# Altium PCB MODULE_BLE_PCB_V1I1.PcbDoc
Units mil, origin at the board's own origin, x right, y up, seen from the top; angles counter-clockwise.
Board outline 2100 x 2700 mil, 2 copper layers (Top Layer, Bottom Layer); 42 components, 44 nets, 216 pads, 54 vias.
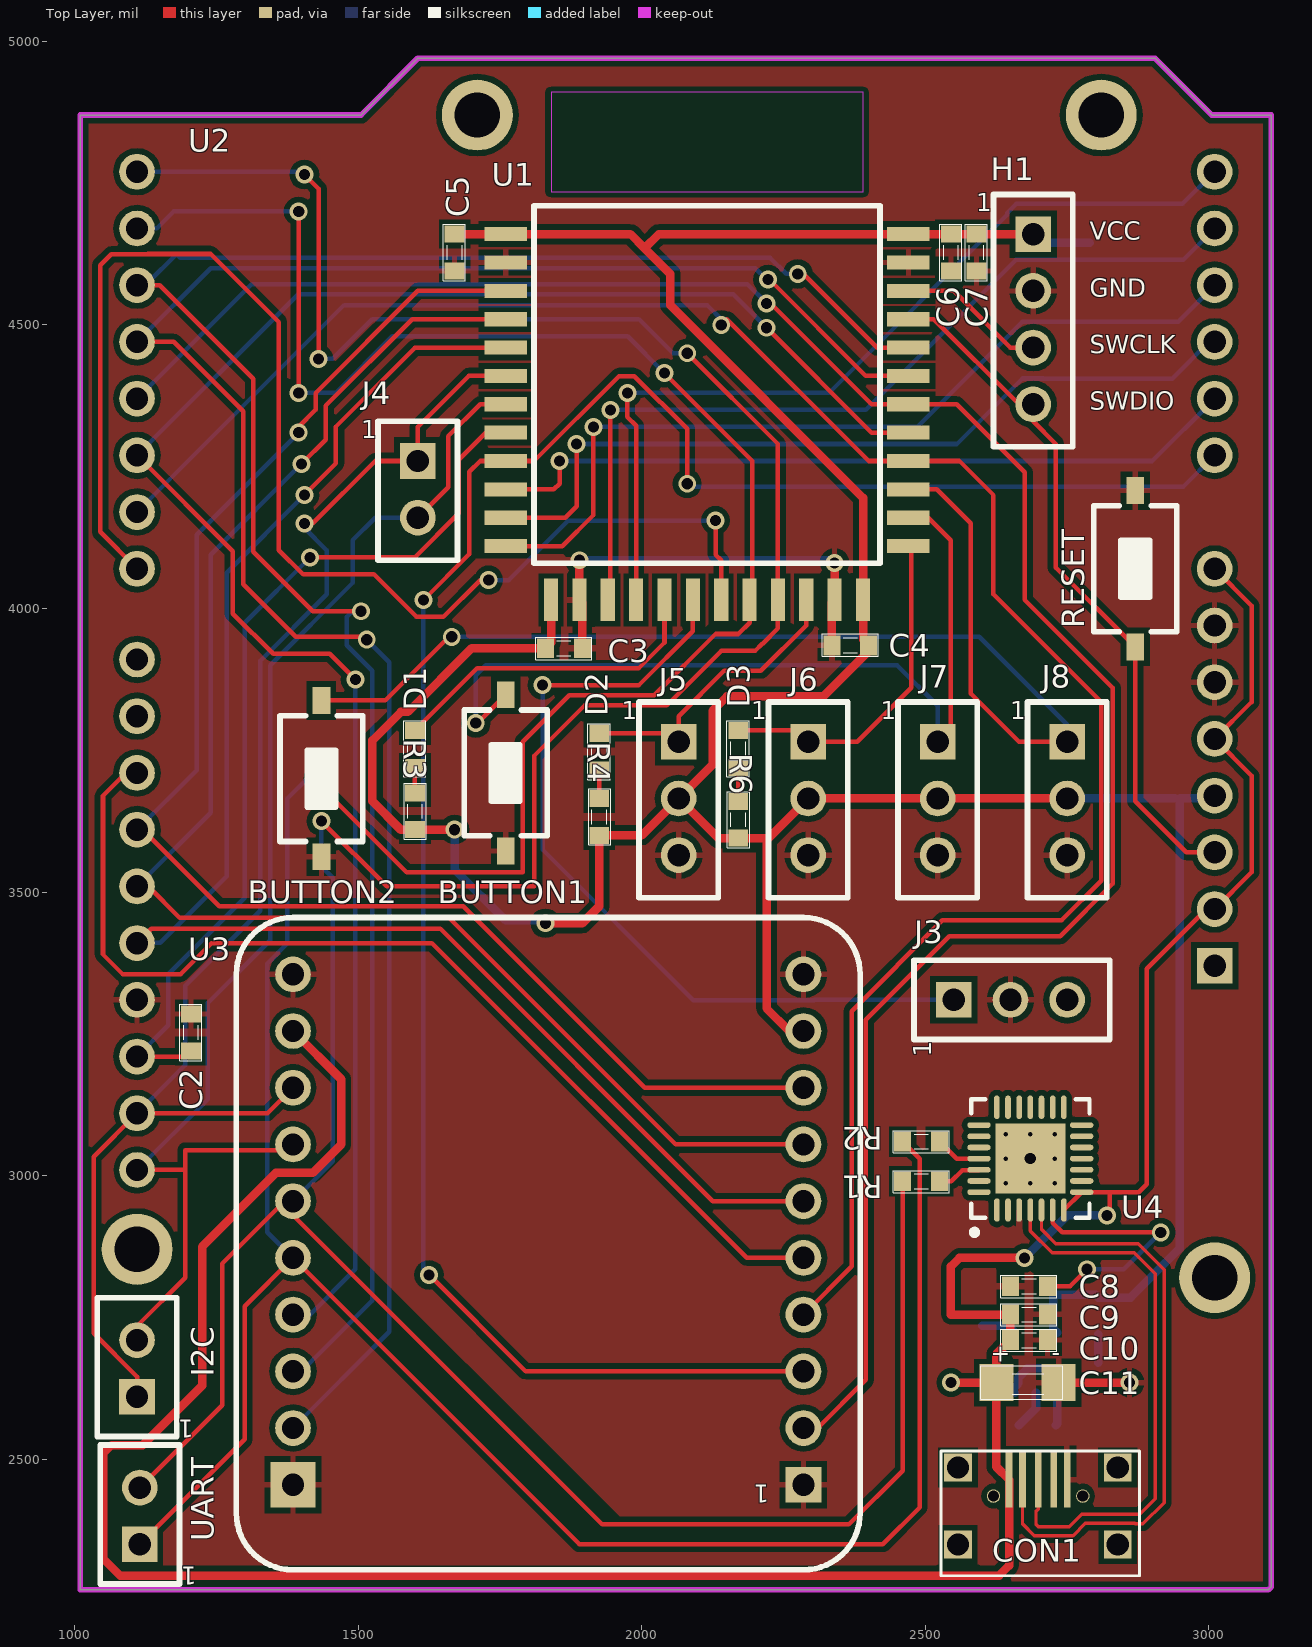
[diagram p0: Top Layer view]
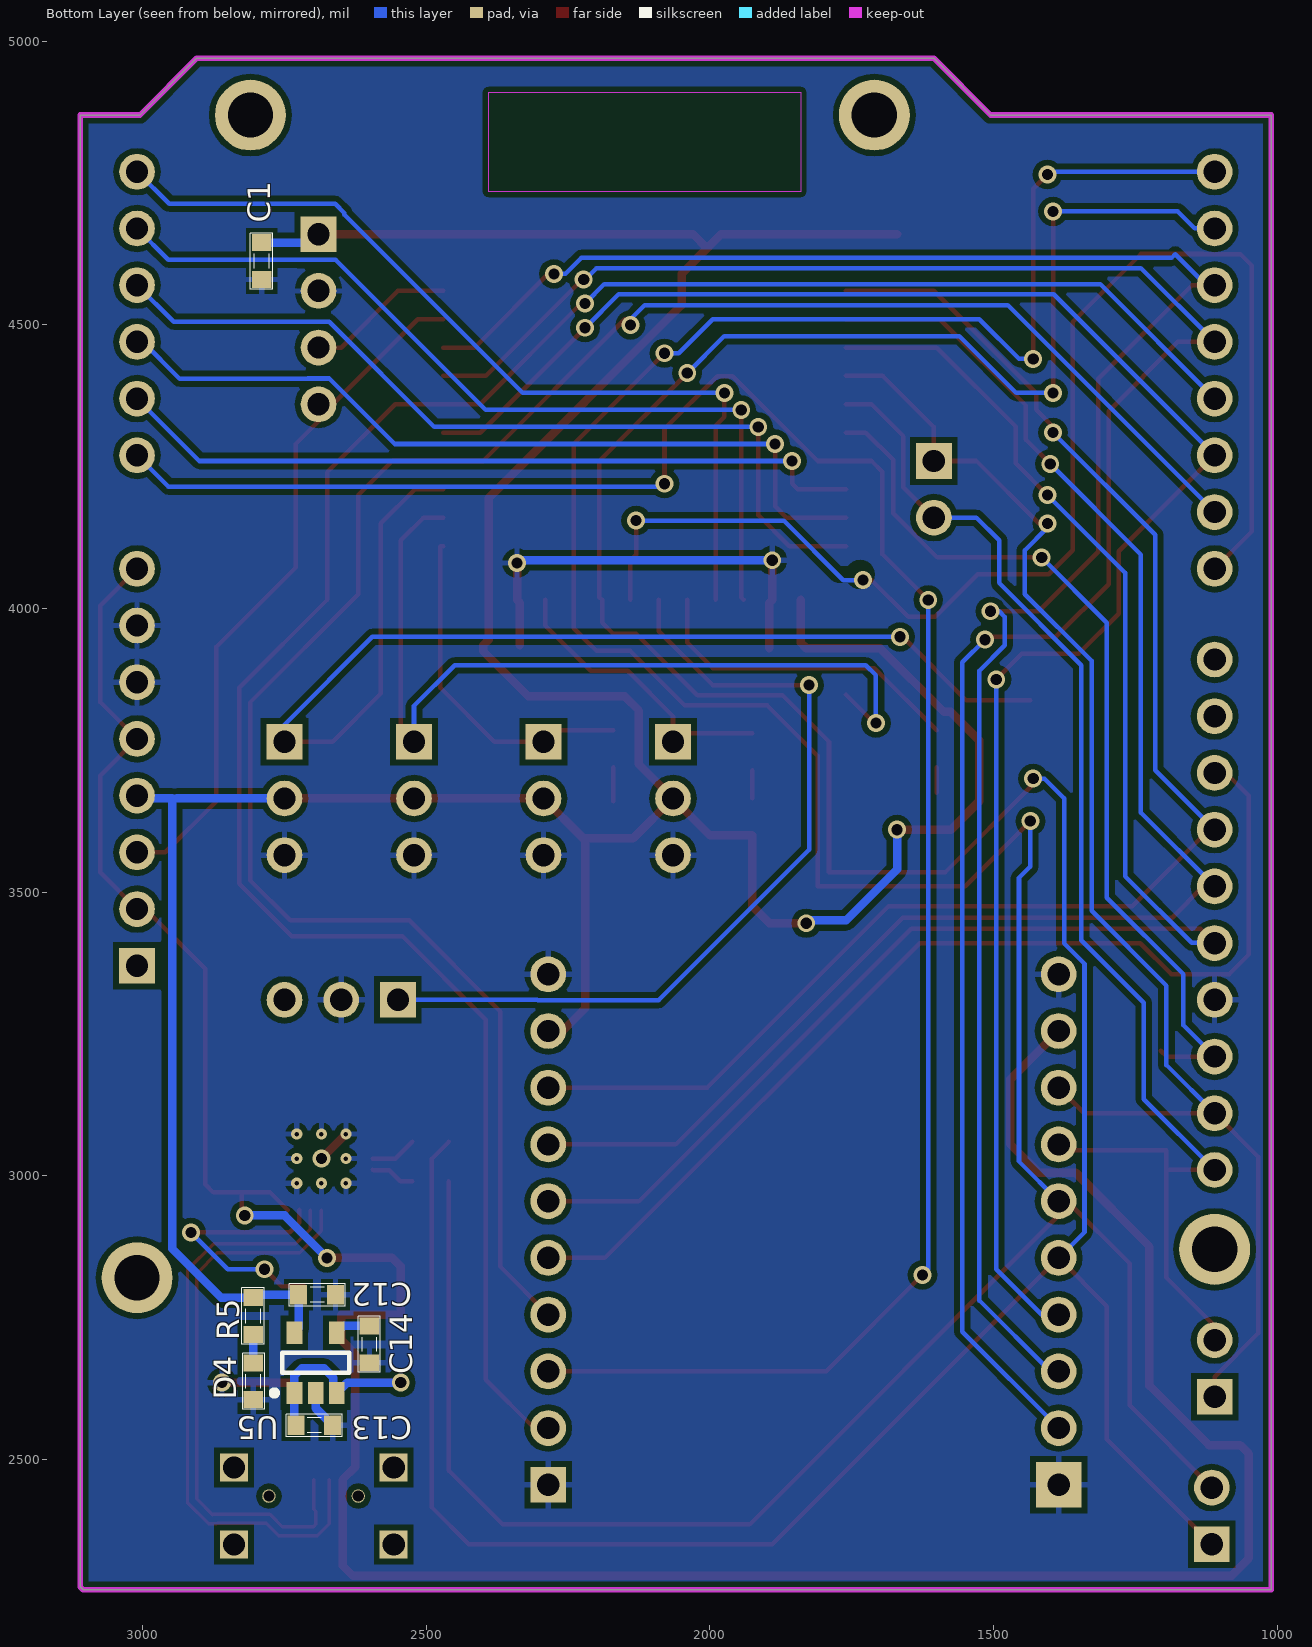
[diagram p1: Bottom Layer view, seen from below]
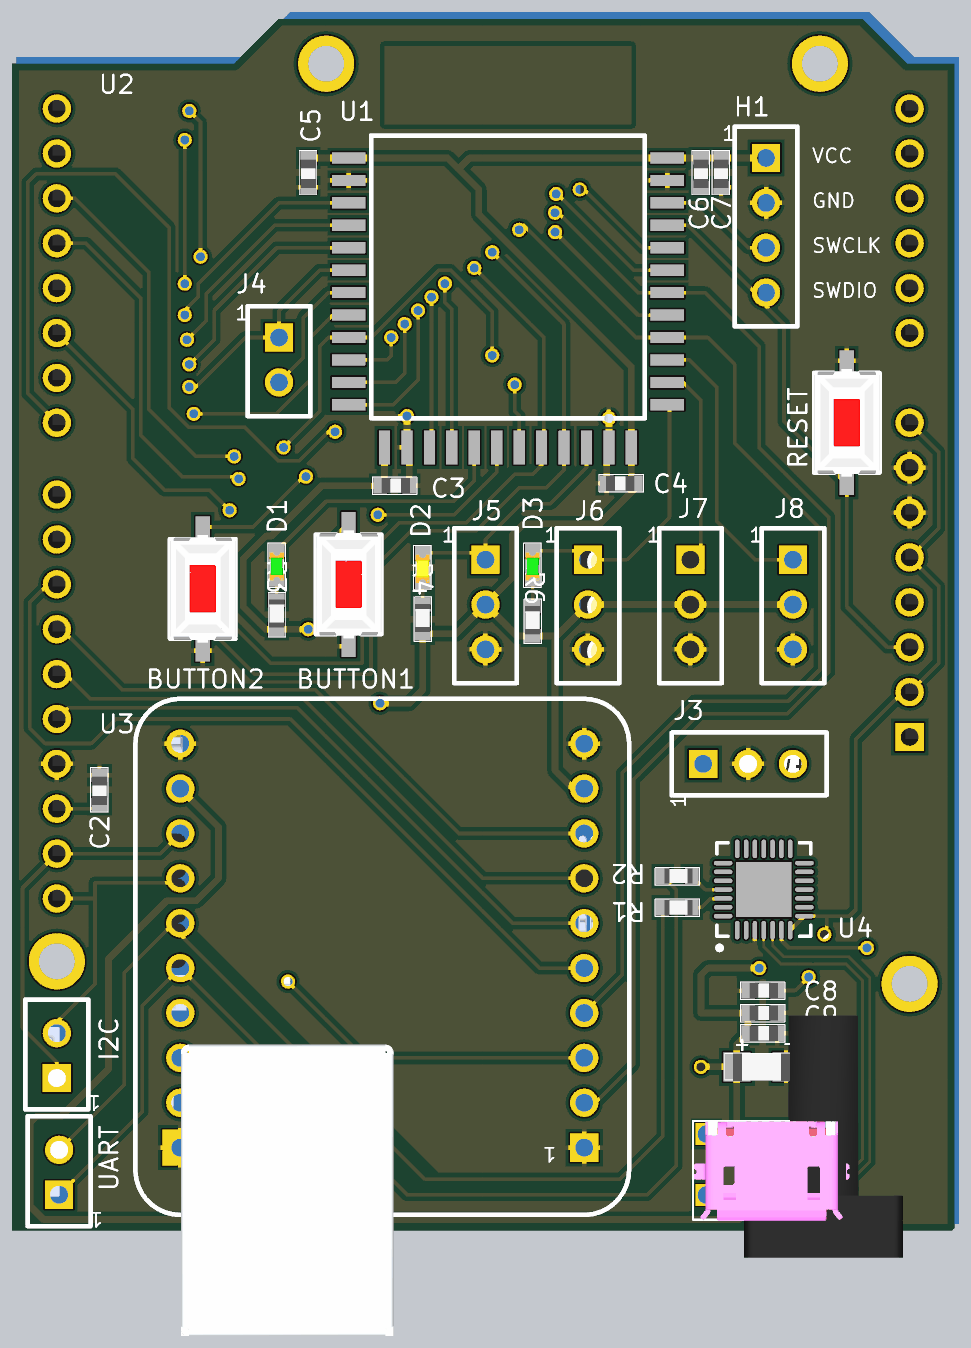
[diagram p2: 3D render of the assembled board from above, using the file's embedded part models]
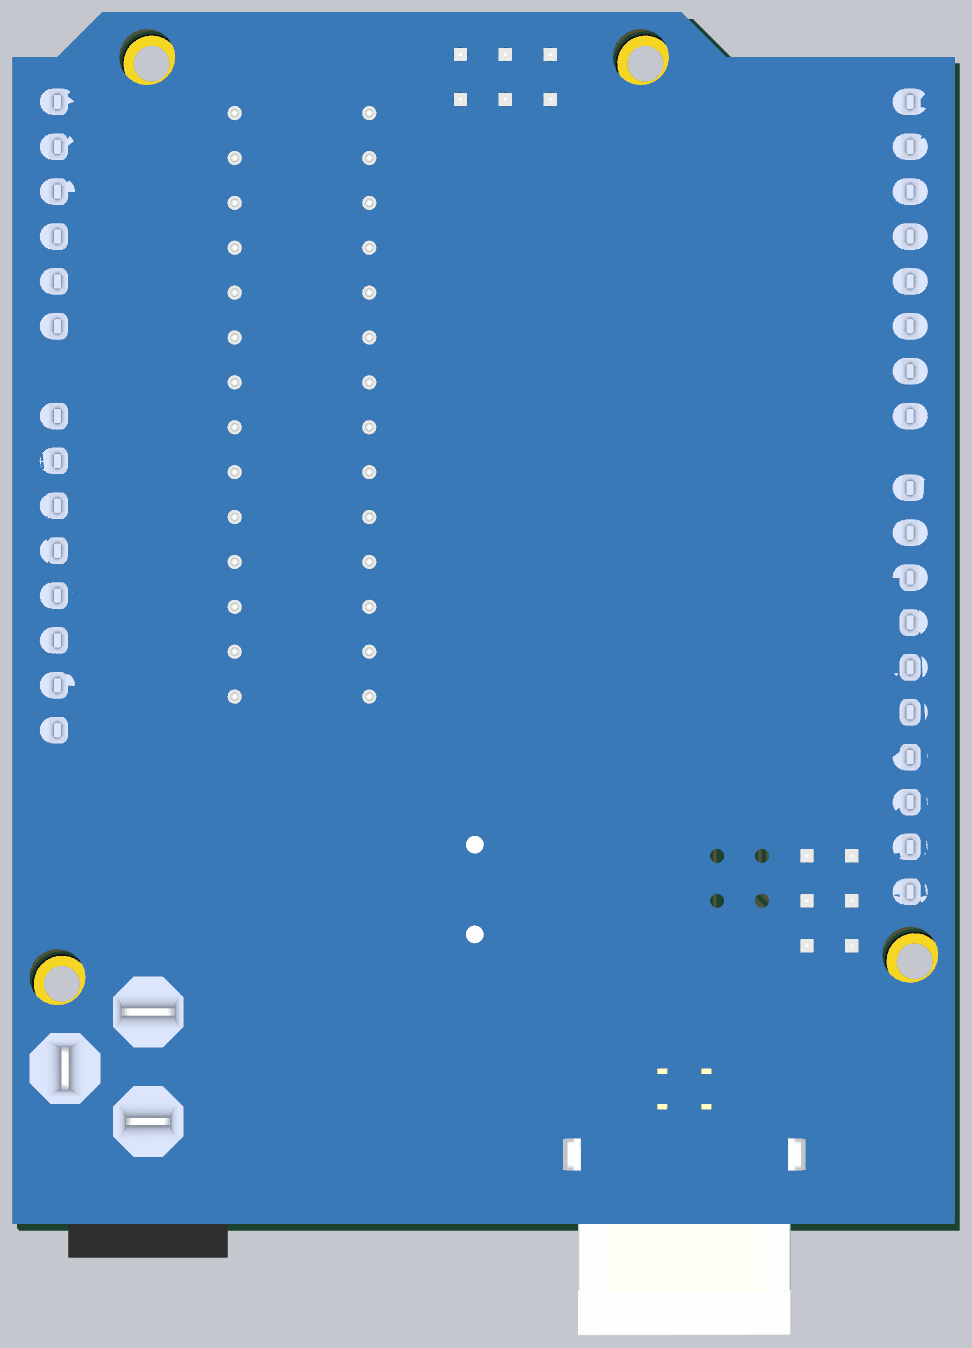
[diagram p3: 3D render of the assembled board from below, using the file's embedded part models]

## Layer stack, top to bottom
Top Solder: solder mask 0.4, Solder Resist, Dk 3.5
Top Layer: signal copper 1.4
Dielectric1: dielectric 12.6, FR-4, Dk 4.8
Bottom Layer: signal copper 1.4
Bottom Solder: solder mask 0.4, Solder Resist, Dk 3.5

## Board outline
1010,2270 1010,4870 1505,4870 1605,4970 2905,4970 3005,4870 3110,4870 3110,2275 3105,2270

## Design rules (kind name [scope] priority, off if disabled: settings)
Clearance [All] p1: gap=10
DiffPairsRouting [All] p1: maxlimit=15 minlimit=10 mostfreqgap=10 toplayer_minwidth=6 toplayer_maxwidth=15 toplayer_prefwidth=6 bottomlayer_maxgap=10 bottomlayer_minwidth=6 bottomlayer_maxwidth=15 bottomlayer_prefwidth=6 maxuncoupledlength=500
PolygonConnect [All] p1: connectstyle=Relief reliefconductorwidth=10 reliefentries=4 polygonreliefangle="90 Angle" airgapwidth=10
RoutingCorners [All] p1: cornerstyle=45-Degree minsetback=50 maxsetback=50
RoutingVias [All] p1: holewidth=19.68 width=31.5 viastyle="Through Hole" minholewidth=19.68 minwidth=31.5 maxholewidth=19.68 maxwidth=31.5
SilkToSolderMaskClearance SilkscreenOverComponentPads [IsPad] p1: minsilkscreentomaskgap=10 clearancetoexposedcopper=TRUE
SolderMaskExpansion [All] p1: expansion=4
Width [All] p1: maxlimit=20 minlimit=8 preferedwidth=8 minimp=50.000000 maximp=50.000000 favimp=50.000000
27 further rules are at their usual default settings.

## Classes and differential pairs
net class DIFF90: USB_N USB_P
differential pair USB: +USB_P -USB_N

## Components (designator, comment, footprint, x,y, rotation, side; value= is the part's Value field where it differs from the comment)
BUTTON1 "SW2_DPST_SURFACE_5MM" SW2-SMD 1760,3710 r90 top (schematic designator SW2)
BUTTON2 "SW2_DPST_SURFACE_5MM" SW2-SMD 1435,3700 r90 top (schematic designator SW3)
C1 "C_0.1F_0603_CERAMIC_16V" CAP_SMD0603 2790,4625 r90 bottom
C2 "C_0.1F_0603_CERAMIC_16V" CAP_SMD0603 1205,3265 r90 top
C3 "C_0.1F_0603_CERAMIC_16V" CAP_SMD0603 1850,3930 r180 top
C4 "C_0.1F_0603_CERAMIC_16V" CAP_SMD0603 2380,3935 r0 top
C5 "C_0.1F_0603_CERAMIC_16V" CAP_SMD0603 1670,4640 r90 top
C6 "C_0.1F_0603_CERAMIC_16V" CAP_SMD0603 2545,4640 r90 top
C7 "C_10uF_0603_CERAMIC_16V" CAP_SMD0603 2590,4640 r90 top
C8 "C_0.1F_0603_CERAMIC_16V" CAP_SMD0603 2670,2805 r180 top
C9 "C_2.2uF_0603_CERAMIC_16V" CAP_SMD0603 2670,2755 r180 top
C10 "C_0.1F_0603_CERAMIC_16V" CAP_SMD0603 2670,2710 r180 top
C11 "C_10uF_1206_TANTALUM_25V" CAP_SMD1206_TANTALUM 2670,2635 r0 top
C12 "C_1uF_0603_CERAMIC_16V" CAP_SMD0603 2705,2790 r0 bottom
C13 "C_1uF_0603_CERAMIC_16V" CAP_SMD0603 2710,2560 r0 bottom
C14 "C_0.1F_0603_CERAMIC_16V" CAP_SMD0603 2600,2715 r90 bottom
CON1 "CONNECT_MICRO_USB_SURFACE" CON_MICRO_USB_HOLE 2557.56,2349.57 r0 top
D1 "LED2_GREEN_0603_2V" LED_GREEN_SMD0603 1600,3765 r90 top
D2 "LED2_YELLOW_0603_2.1V" LED_YELLOW_SMD0603 1925,3760 r90 top
D3 "LED2_GREEN_0603_2V" LED_GREEN_SMD0603 2170,3765 r90 top
D4 "LED2_RED_0603_2V" LED_RED_SMD0603 2805,2625 r270 bottom
H1 "HEADER4_ISP_NRF518XX_HOLE_2.54" HEADER4_ISP_HOLE_2.54 2690,4660 r0 top locked
I2C "CON_I2C" CON_HEADER2_HOLE_2.54 1110,2610 r180 top (schematic designator J1)
J3 "CONN_PROG" CON_HEADER3_HOLE_2.54 2550,3310 r90 top
J4 "CON_I2C" CON_HEADER2_HOLE_2.54 1605,4260 r0 top
J5 "CON_HEADER3_MALE_HOLE2.54" CON_HEADER3_HOLE_2.54 2065,3765 r0 top
J6 "CON_HEADER3_MALE_HOLE2.54" CON_HEADER3_HOLE_2.54 2293.33,3765 r0 top
J7 "CON_HEADER3_MALE_HOLE2.54" CON_HEADER3_HOLE_2.54 2521.67,3765 r0 top
J8 "CON_HEADER3_MALE_HOLE2.54" CON_HEADER3_HOLE_2.54 2750,3765 r0 top
R1 "R_1K2_SMD0603_1%_1/10W" RES_SMD0603 2480,2990 r180 top
R2 "R_1K2_SMD0603_1%_1/10W" RES_SMD0603 2480,3060 r180 top
R3 "R_1K2_SMD0603_1%_1/10W" RES_SMD0603 1600,3630 r270 top
R4 "R_1K2_SMD0603_1%_1/10W" RES_SMD0603 1925,3620 r270 top
R5 "R_10K_SMD0603_1%_1/10W" RES_SMD0603 2805,2765 r90 bottom
R6 "R_1K2_SMD0603_1%_1/10W" RES_SMD0603 2170,3615 r270 top
RESET "SW2_RESET" SW2-SMD 2870,4070 r90 top (schematic designator SW1)
U1 "MODULE_BLE_NRF518XX" MODULE_NRF518xx 1740,4660 r0 top locked
U2 "SHIELD_UNO" "SHIELD UNO" 3110,2270 r90 top locked
U3 "SHIELD_MIKRO_BUS" SHIELD_MIKRO_BUS 2285,2455 r180 top locked
U4 "USB_CP2102-GMR" QFN_28PIN_USBC2102 2685,3030 r90 top
U5 "POWER_LDO_LD3985_3.3V_SOT-23-5" POWER_LDO_LDR3985-3.3 2695,2670 r90 bottom
UART "CON_UART" CON_HEADER2_HOLE_2.54 1115,2350 r180 top (schematic designator J2)

## Footprints (in the part's own frame and the unit in brackets; to place one, negate y for a bottom-side part, rotate by r counter-clockwise, add the part's x,y. Pads: shape width x height; smd on the part's side, far side on the other; paste and mask are expansions set on the pad)
CAP_SMD0603 [mil] "Compoment SMD 60x30mil"
  rect 30x35 smd: 1(-45,0) 2(20,0)
  silkscreen extent -62,-19 37,20, body extent -46,-17 16,17, height 33
CAP_SMD1206_TANTALUM [mil] "Compoment SMD 80x50mil"
  rect 60x65 smd: 1(-45,0) 2(65,0)
  silkscreen extent -72,-29 72,30, body extent -53,-31 73,30, height 65
CON_HEADER2_HOLE_2.54 [mm] "HEADER, SINGLE, DISTANCE = 100mil"
  rect 1.6x1.6 hole 1: 1(0,0)
  round 1.6 hole 1: 2(0,-2.54)
  silkscreen extent -1.78,-4.44 1.78,1.78
CON_HEADER3_HOLE_2.54 [mm] "HEADER, SINGLE, DISTANCE = 100mil"
  rect 1.6x1.6 hole 1: 1(0,0)
  round 1.6 hole 1: 2(0,-2.54) 3(0,-5.08)
  silkscreen extent -1.78,-6.98 1.78,1.78
CON_MICRO_USB_HOLE [mm]
  rect 0.3x2.5 smd mask+0.05: 1(2.286,2.91) 2(2.886,2.91) 3(3.586,2.91) 4(4.286,2.91) 5(4.886,2.91)
  rect 1.25x1.25 hole 1 mask+0.05: ""(0,0) ""(0,3.45) ""(7.15,0) ""(7.15,3.45)
  round 0.6 hole 0.5 mask+0.05: ""(1.586,2.17) ""(5.586,2.17)
  silkscreen extent -0.76,-1.4 8.13,4.19, body extent -0.72,-1.45 8.08,4.18, height 2.77
HEADER4_ISP_HOLE_2.54 [mm] "HEADER, SINGLE, DISTANCE = 100mil"
  rect 1.6x1.6 hole 1: 1(0,0)
  round 1.6 hole 1: 2(0,-2.54) 3(0,-5.08) 4(0,-7.62)
  silkscreen extent -1.78,-9.53 1.78,1.78
LED_GREEN_SMD0603 [mil] "Compoment SMD 60x30mil"
  rect 30x35 smd: 1(-45,0) 2(20,0)
  silkscreen extent -62,-19 37,20, body extent -46,-16 17,16, height 24
LED_RED_SMD0603 [mil] "Compoment SMD 60x30mil"
  rect 30x35 smd: 1(-45,0) 2(20,0)
  silkscreen extent -62,-19 37,20, body extent -46,-16 16,16, height 24
LED_YELLOW_SMD0603 [mil] "Compoment SMD 60x30mil"
  rect 30x35 smd: 1(-45,0) 2(20,0)
  silkscreen extent -62,-19 37,20, body extent -46,-16 17,16, height 24
MODULE_NRF518xx [mil] "MODULE BLE NRF51822 Madeby TUAN ANH"
  rect 75x25 smd: 1(20,0) 2(20,-50) 3(20,-100) 4(20,-150) 5(20,-200) 6(20,-250) 7(20,-300) 8(20,-350) 9(20,-400) 10(20,-450) 11(20,-500) 12(20,-550) 25(730,-550) 26(730,-500) 27(730,-450) 28(730,-400) 29(730,-350) 30(730,-300) 31(730,-250) 32(730,-200) 33(730,-150) 34(730,-100) 35(730,-50) 36(730,0)
  rect 25x75 smd: 13(100,-645) 14(150,-645) 15(200,-645) 16(250,-645) 17(300,-645) 18(350,-645) 19(400,-645) 20(450,-645) 21(500,-645) 22(550,-645) 23(600,-645) 24(650,-645)
  Keep-Out Layer region: 100,250 100,75 650,75 650,250
  silkscreen extent 70,-580 680,50, body extent 20,-630 730,45, height 59
POWER_LDO_LDR3985-3.3 [mm] "SOT23, 5-Leads, Body 2.90x2.80mm, Pitch 0.95mm, IPC Medium Density"
  rect 1x0.7 smd: 1(-1.35,0.95) 2(-1.35,0) 3(-1.35,-0.95) 4(1.35,-0.95) 5(1.35,0.95)
  silkscreen extent -1.47,-1.5 0.45,1.98, body extent -0.85,-1.5 0.85,1.5, height 0.9
QFN_28PIN_USBC2102 [mm] "QFN, 28-Leads, Body 5.00x5.00mm, Pitch 0.50mm, Thermal Pad 3.13x3.13mm, IPC Medium Density"
  oval 1.05x0.25 smd: 1(-2.3,1.5) 2(-2.3,1) 3(-2.3,0.5) 4(-2.3,0) 5(-2.3,-0.5) 6(-2.3,-1) 7(-2.3,-1.5) 15(2.3,-1.5) 16(2.3,-1) 17(2.3,-0.5) 18(2.3,0) 19(2.3,0.5) 20(2.3,1) 21(2.3,1.5)
  oval 0.25x1.05 smd: 8(-1.5,-2.3) 9(-1,-2.3) 10(-0.5,-2.3) 11(0,-2.3) 12(0.5,-2.3) 13(1,-2.3) 14(1.5,-2.3) 22(1.5,2.3) 23(1,2.3) 24(0.5,2.3) 25(0,2.3) 26(-0.5,2.3) 27(-1,2.3) 28(-1.5,2.3)
  rect 3.13x3.13 smd: 29(0,0)
  silkscreen extent -3.42,-2.65 2.65,2.65, body extent -2.5,-2.5 2.5,2.5, height 0.8
RES_SMD0603 [mil] "Compoment SMD 60x30mil"
  rect 30x35 smd: 1(-45,0) 2(20,0)
  silkscreen extent -62,-19 37,20, body extent -46,-17 17,17, height 19
"SHIELD UNO" [mm]
  rect 1.6x1.6 hole 1: 1(27.94,2.54)
  round 1.6 hole 1: 2(30.48,2.54) 3(33.02,2.54) 4(35.56,2.54) 5(38.1,2.54) 6(40.64,2.54) 7(43.18,2.54) 8(45.72,2.54) 9(50.8,2.54) 10(53.34,2.54) 11(55.88,2.54) 12(58.42,2.54) 13(60.96,2.54) 14(63.5,2.54) 15(63.5,50.8) 16(60.96,50.8) 17(58.42,50.8) 18(55.88,50.8) 19(53.34,50.8) 20(50.8,50.8) 21(48.26,50.8) 22(45.72,50.8) 23(41.656,50.8) 24(39.116,50.8) 25(36.576,50.8) 26(34.036,50.8) 27(31.496,50.8) 28(28.956,50.8) 29(26.416,50.8) 30(23.876,50.8) 31(21.336,50.8) 32(18.796,50.8)
  round 3.175 hole 2.032: N(13.97,2.54) N(15.24,50.8) N(66.04,7.62) N(66.04,35.56)
  body extent -5.97,-0.25 68.96,53.09, height 1.05
SHIELD_MIKRO_BUS [mm] "HEADER, SINGLE, DISTANCE = 100mil"
  rect 1.6x1.6 hole 1: 1(0,0)
  round 1.6 hole 1: 2(0,-2.54) 3(0,-5.08) 4(0,-7.62) 5(0,-10.16) 6(0,-12.7) 7(0,-15.24) 8(0,-17.78) 9(0,-20.32) 10(0,-22.86) 11(22.86,-22.86) 12(22.86,-20.32) 13(22.86,-17.78) 14(22.86,-15.24) 15(22.86,-12.7) 16(22.86,-10.16) 17(22.86,-7.62) 18(22.86,-5.08) 19(22.86,-2.54)
  rect 2.032x2.032 hole 1: 20(22.86,0)
  silkscreen extent -2.54,-25.4 25.4,3.81
SW2-SMD [mm] "Switch SMD type"
  rect 1.2x0.8 smd: 1(-3.5,0) 2(3.5,0)
  silkscreen extent -2.82,-1.85 2.82,1.85, body extent -3.05,-1.85 3.05,1.85, height 2.5

## Part data
BUTTON1 BUTTON2: "SWITCH TACTILE SPST-NO 0.05A 12V"
C1 C2 C3 C4 C5 C6 C8 C10 C14: "CAP CER 0.1UF 16V X7R 0603"
C7: "CAP CER 10UF 16V X5R 0603"
C9: "CAP CER 2.2UF 16V X5R 0603"
C11: "CAP TANT 10UF 25V 10% 1206"
C12 C13: "CAP CER 1UF 16V X5R 0603"
CON1: "CONN RCPT STD MICRO USB TYPE B"
D1 D3: "LED GREEN CLEAR 0603 SMD"
D2: "LED YELLOW CLEAR 0603 SMD"
D4: "LED RED CLEAR 0603 SMD"
H1: "CONN HEADER 4POS .100 STR TIN"
I2C J4 UART: library part CON_HEADER2_MALE_HOLE2.54, "CON_HEADER10_HOLE2.54"
J3: library part CON_HEADER3_MALE_HOLE2.54, "CON_HEADER10_HOLE2.54"
J5 J6 J7 J8: "CON_HEADER10_HOLE2.54"
R1 R2 R3 R4 R6: "RES SMD 1.2K OHM 1% 1/10W 0603"
R5: "RES SMD 10K OHM 1% 1/10W 0603"
RESET: library part SW2_DPST_SURFACE_5MM, "SWITCH TACTILE SPST-NO 0.05A 12V"
U4: "IC USB-TO-UART BRIDGE 28VQFN"
U5: "IC REG LDO 3.3V 0.15A SOT23-5"

## Via types
v1: diameter 31.5, hole 19.68, Top Layer to Bottom Layer, 45 vias
v2: diameter 19.68, hole 7.87, Top Layer to Bottom Layer, 9 vias

## Nets (pads, with @x,y where several pads share a name; then routed paths per layer and width w, separated by ;. In a path a pad name is that pad's centre, name@x,y a point inside that pad or via, vN(x,y) a via of type N, cw(c..) or ccw(c..) an arc to the next point about the centre after c; other vN are vias at no path point)
5VCC_USB: C9.2 C10.2 C11.1 C13.2 CON1.1 U2.2 U2.5 U2.8 U3.12 U4.7 U4.8 U5.1 U5.3 | length 5648.7
  Top Layer w8: U4.7 U4.8 2825,2970.94 ; v1@2825,2930 2825,2970.94 ; U2.8 3075,4005 3075,3835 U2.5 3075,3705 3075,3535 U2.2 2995,3470 2890,3365 2890,2985 2875.94,2970.94 2825,2970.94
  Top Layer w15: U3.12 1470,3170 1470,3055 1420,3005 1355,3005 1225,2875 1225,2630 1120,2525 1065,2525 1050,2510 1050,2325 1080,2295 2630,2295 2647.56,2312.56 CON1.1 2625,2486.69 C11.1 ; v1(2545,2635) C11.1 ; v1(2675,2855) 2560,2855 2545,2840 2545,2755 C9.2 C10.2 2625,2685 C11.1 ; v1(2820,2930) v1@2825,2930
  Bottom Layer w15: v1(2545,2635) 2639.45,2635 U5.3@2652.22,2622.22 ; U5.3 U5.3@2652.22,2622.22 ; v1(2675,2855) 2750,2930 v1(2820,2930) ; C13.2 2732.4,2562.4 U5.1 2732.4,2647.6 2720,2660 2679.94,2660 2663.72,2643.78 2663.72,2633.72 U5.3@2652.22,2622.22
AIN2: U1.9 U2.9 U3.3 | length 3728
  Top Layer w8: v1(1615,4015) 1696,4096 1696,4241 1715,4260 U1.9 1810,4260 1959.75,4409.75 1986.82,4409.75 2080,4316.57 v1(2080,4220) ; v1(1625,2825) 1795,2655 U3.3
  Bottom Layer w8: v1(1615,4015) 1615,2835 v1(1625,2825) ; v1(2080,4220) 2085,4215 2955,4215 U2.9
AIN3: U1.10 U2.10 | length 1339.7
  Top Layer w8: U1.10 1845,4210 1855,4220 v1(1855,4260)
  Bottom Layer w8: v1(1855,4260) 2900,4260 U2.10
AIN4: U1.11 U2.11 | length 1443.3
  Top Layer w8: U1.11 1865,4160 1885,4180 v1(1885,4290)
  Bottom Layer w8: v1(1885,4290) 2555.66,4290 2671.15,4405.5 2708.85,4405.5 2709.34,4405 2935,4405 3000,4470 U2.11
AIN5: U1.12 U2.12 | length 1541.7
  Top Layer w8: U1.12 1860,4110 1914.75,4164.75 v1(1914.75,4320) v1@1914.75,4330.25
  Bottom Layer w8: v1(1914.75,4320) 2485.66,4320 2671.15,4505.5 2945.5,4505.5 U2.12
AIN6: U1.15 U2.13 | length 1534.8
  Top Layer w8: U1.15 1944.75,4019.75 v1(1944.75,4350)
  Bottom Layer w8: v1(1944.75,4350) 2395,4350 2659.5,4614.5 2727.3,4614.5 2727.79,4615 2955,4615 U2.13
AIN7: U1.16 U2.14 | length 1570.1
  Top Layer w8: v1(1974.5,4380) 1974.5,4337.68 1990,4322.17 U1.16
  Bottom Layer w8: v1(1974.5,4380) 2330,4380 2644.5,4694.5 2644.5,4697.3 2660.58,4713.37 2953.37,4713.37 U2.14
AREF0: C2.1 U1.8 U2.30 | length 1596.9
  Top Layer w8: U2.30 1195,3210 C2.1 ; v1(1415,4090) 1599.34,4090 1677,4167.66 1677,4262 1725,4310 U1.8
  Bottom Layer w8: U2.30 1165,3265 1165,3355 1300,3490 1300,3975 v1(1415,4090)
GND_USB: BUTTON1.1 BUTTON2.1 C1.1 C2.2 C3.1 C4.1 C5.1 C6.1 C7.1 C8.2 C9.1 C10.1 C11.2 C12.1 C13.1 C14.1 CON1.5 D4.2 H1.2 J3.2 J5.3 J6.3 J7.3 J8.3 RESET.2 U1.2 U1.14 U1.23 U1.35 U2.6 U2.7 U2.29 U3.1 U3.10 U3.11 U3.20 U4.3 U4.29 U5.2 | length 1014.7
  Top Layer w15: v1(1890,4085) U1.14 1895,4010 C3.1 ; C4.1 2335,4010 U1.23 v1(2340,4080) ; v2(2641.69,3073.31) v2(2685,3030) ; C11.2 v1(2860,2635)
  Bottom Layer w15: v1(1890,4085) 2340,4085 v1(2340,4080) ; C13.1 2695,2590 U5.2
  other v1: 2685,3030
  other v2: 2641.69,2986.69 2685,2986.69 2728.31,2986.69 2641.69,3030 2728.31,3030 2685,3073.31 2728.31,3073.31
ISP_PROG: J3.1 U1.18 | length 1484.5
  Top Layer w8: v1(1825,3865) 1995,3865 2090,3960 U1.18
  Bottom Layer w8: v1(1825,3865) 1825,3575 2090.5,3309.5 2303.85,3309.5 2304.34,3310 J3.1
LED_BLE1: D2.2 J5.1 U1.22 | length 527.5
  Top Layer w8: D2.2 2050,3780 J5.1 2065,3810 2145,3890 2210,3890 2290,3970 U1.22
LED_BLE2: D3.2 J6.1 U1.25 | length 607.6
  Top Layer w8: D3.2 2273.33,3785 J6.1 2380,3765 2475,3860 2475,4110 U1.25
LED_UART: D1.2 U1.17 | length 579.2
  Top Layer w8: D1.2 1710,3895 1995,3895 2040,3940 U1.17
NetC8_1: C8.1 U4.6 | length 459.7
  Top Layer w8: C8.1 2755,2805 v1(2785,2835) ; U4.6 2724.37,2916.63 2741,2900 v1(2915,2900)
  Bottom Layer w8: v1(2785,2835) 2850,2835 v1(2915,2900)
NetC14_2: C14.2 U5.4 | length 62.5
  Bottom Layer w15: C14.2 2645.75,2735 U5.4
NetD1_1: D1.1 R3.1 | length 45
  Top Layer w8: R3.1 D1.1
NetD2_1: D2.1 R4.1 | length 50
  Top Layer w8: R4.1 D2.1
NetD3_1: D3.1 R6.1 | length 60
  Top Layer w8: R6.1 D3.1
NetD4_1: D4.1 R5.1 | length 50
  Bottom Layer w15: D4.1 R5.1
NetR1_1: R1.1 U4.26 | length 77.9
  Top Layer w8: R1.1 2545.77,2990 2565.32,3009.55 2593.68,3009.55 U4.26
NetR2_1: R2.1 U4.25 | length 81.9
  Top Layer w8: R2.1 2555,3030 U4.25
NRF_RXD: R1.2 U1.21 U2.15 U3.15 UART.2 | length 6271.4
  Top Layer w8: UART.2 1260,2595 1260,2845 1370,2955 U3.15 1385,2930 1930,2385 2365,2385 2460,2480 R1.2 ; v1(1405,4765) 1430,4740 v1(1430,4440) ; v1(1435,3625) 1550,3510 1810,3510 1810,3740 1899,3829 2044,3829 2140.1,3925.1 2199.64,3925.1 2212.54,3938 2213,3938 2240,3965 U1.21 2240,4290 v1(2080,4450)
  Bottom Layer w8: U2.15 1400,4770 v1(1405,4765) ; U3.15 1455,3025 1455,3525 1435,3545 v1(1435,3625) ; v1(1430,4440) 1455,4440 1525,4510 1995,4510 2055,4450 v1(2080,4450)
NRF_TXD: R2.2 U1.20 U2.16 U3.16 UART.1 | length 6517.2
  Top Layer w8: UART.1 1300,2535 1300,2770 U3.16 1890,2350 2425,2350 2490,2415 2490,3030 R2.2 ; v1(1395,4380) v1(1395,4700) ; v1(1430,3700) 1430,3690 1585.42,3534.58 1790,3534.58 1790,3765 1872,3847 2022,3847 2130,3955 2170,3955 2190,3975 U1.20 2195,4020 2195,4260 v1(2040,4415)
  Bottom Layer w8: U2.16 1145,4670 1175,4700 v1(1395,4700) ; U3.16 1339.5,2900.5 1339.5,3373.85 1375,3409.34 1375,3665 1410,3700 v1(1430,3700) ; v1(1395,4380) 1460,4380 1560,4480 1975,4480 v1(2040,4415)
P0.09: U1.19 U2.22 | length 2370.2
  Top Layer w8: U2.22 1045,4135 1045,4605 1064.5,4624.5 1128.85,4624.5 1129.34,4625 1240,4625 1360,4505 1360,4102.93 1402.68,4060.25 1527.68,4060.25 1602.68,3985.25 1650.25,3985.25 1715,4050 v1(1730,4050) ; v1(2130,4155) 2130,4095 2140,4085 U1.19
  Bottom Layer w8: v1(1730,4050) 1765,4050 1870,4155 v1(2130,4155)
P0.14: BUTTON1.2 J7.1 U1.26 | length 1533
  Top Layer w8: v1(1707.2,3797.8) 1707.2,3795 BUTTON1.2 ; U1.26 2505,4160 2545,4120 2545,3788.33 J7.1
  Bottom Layer w8: v1(1707.2,3797.8) 1707.2,3882.2 1725,3900 2450,3900 2521.67,3828.33 J7.1
P0.15: BUTTON2.2 J8.1 U1.27 | length 2095.7
  Top Layer w8: BUTTON2.2 1547.8,3837.8 1660,3950 v1(1665,3950) ; U1.27 2520,4210 2580,4150 2580,3850 2665,3765 J8.1
  Bottom Layer w8: v1(1665,3950) 2595,3950 2750,3795 J8.1
P0.16: U1.28 U2.21 U3.4 | length 3687.4
  Top Layer w8: v1(2140,4500) 2150,4510 2400,4260 U1.28 2560,4260 2620,4200 2620,4025 2810,3835 2810,3520 2740,3450 2530,3450 2370,3290 2370,2840 U3.4
  Bottom Layer w8: U2.21 1475,4535 2115,4535 2142.5,4507.5 2135,4500 v1(2140,4500)
P0.17: U1.29 U2.20 U3.17 | length 3374.9
  Top Layer w8: U2.20 1279,4101 1279,3991 1350,3920 1450,3920 v1(1495,3875) ; v1(2220,4495) 2405,4310 U1.29
  Bottom Layer w8: U2.20 1394,4554 2161,4554 v1(2220,4495) ; U3.17 1415,2755 1495,2835 v1(1495,3875)
P0.18: U1.30 U2.19 U3.2 | length 3899.1
  Top Layer w8: v1(2220,4537.93) 2220,4532.07 2226.46,4538.53 2405,4360 U1.30 2555,4360 2675,4240 2675,4015 2830,3860 2830,3514.54 2737.46,3422 2542,3422 2395,3275 2395,2640 2310,2555 U3.2
  Bottom Layer w8: U2.19 1312,4572 2185.93,4572 v1(2220,4537.93)
P0.19: U1.31 U2.18 U3.19 | length 3790.7
  Top Layer w8: U2.18 1175,4470 1297,4348 1297,4043 1390,3950 1525,3950 1520,3945 v1(1515,3945) ; v1(2222.5,4580) 2225,4580 2395,4410 U1.31
  Bottom Layer w8: U2.18 1240,4600 2200,4600 2220,4580 v1(2222.5,4580) ; U3.19 1555,2725 1555,3905 v1(1515,3945)
P0.20: U1.32 U2.17 U3.18 | length 3731
  Top Layer w8: U2.17 1150,4570 1315,4405 1315,4100 1420,3995 v1(1505,3995) ; v1(2275,4590) 2275,4600 2415,4460 U1.32
  Bottom Layer w8: U2.17 1105,4575 1130,4575 1179.5,4624.5 1186.01,4618 2226.57,4618 2254.57,4590 v1(2275,4590) ; U3.18 1400,2655 1524.75,2779.75 1524.75,3890.25 1480,3935 1480,3985 1490,3995 v1(1505,3995)
P0.21: U2.23
P0.22: U2.24
P0.23: U2.25 U3.5 | length 1858.3
  Top Layer w8: U2.25 1090,3710 1050,3670 1050,3390 1084.5,3355.5 1186.8,3355.5 1241.31,3410 1630,3410 2185,2855 U3.5
P0.24: U1.3 U2.26 U3.8 | length 2673.5
  Top Layer w8: U2.26 1120,3610 1255,3475 1685,3475 2005,3155 U3.8 ; v1(1395,4310) 1395,4320.5 1424.75,4350.25 1424.75,4379.75 1605,4560 U1.3
  Bottom Layer w8: U2.26 1215,3715 1215,4130 v1(1395,4310)
P0.25: U1.4 U2.27 U3.7 | length 2729.4
  Top Layer w8: U2.27 1130,3510 1185,3455 1660,3455 2060,3055 U3.7 ; v1(1400,4255) 1442.75,4297.75 1442.75,4357.75 1595,4510 U1.4
  Bottom Layer w8: U2.27 1240,3640 1240,4095 v1(1400,4255)
P0.28: U1.5 U2.28 U3.6 | length 2821.9
  Top Layer w8: U2.28 1135,3435 1645,3435 2125,2955 U3.6 ; v1(1405,4200) 1460.75,4255.75 1460.75,4320.75 1600,4460 U1.5
  Bottom Layer w8: U2.28 1109.34,3410.66 1150.66,3410.66 1268,3528 1268,4063 v1(1405,4200)
P0.29: I2C.1 J4.1 U1.6 U2.31 U3.13 | length 2550
  Top Layer w8: I2C.1 1110,2645.66 1033.5,2722.16 1033.5,3033.5 U2.31 1340,3110 U3.13 ; v1(1405,4150) 1420,4150 1530,4260 J4.1 1605,4320 1695,4410 U1.6
  Bottom Layer w8: U2.31 1195,3195 1195,3335 1327,3467 1327,3907.46 1444.75,4025.2 1444.75,4102.32 1405,4142.07 v1(1405,4150)
P0.30: I2C.2 J4.2 U1.7 U2.32 U3.14 | length 2338.9
  Top Layer w8: I2C.2 1110,2735 1195,2820 1195,3010 ; U2.32 1195,3010 ; U3.14 1375,3045 1195,3045 1195,3010 ; J4.2 1659,4214 1659,4304 1715,4360 U1.7
  Bottom Layer w8: U2.32 1235,3135 1235,3305 1345,3415 1345,3900 1490,4045 1490,4120 1530,4160 J4.2
SWCLK: H1.3 U1.34 | length 261.4
  Top Layer w8: U1.34 2550,4560 2650,4460 H1.3
SWDIO: H1.4 RESET.1 U1.33 U2.3 | length 1234
  Top Layer w8: U1.33 2515,4510 2665,4360 H1.4 2690,4330 2730,4290 2730,4072.2 RESET.1 2870,3660 2960,3570 U2.3
USB_N: CON1.2 U4.5 | length 1052.1
  Top Layer w6: CON1.2 2671.18,2386.19 2692.06,2365.31 2760.31,2365.31 2782.17,2387.17 2869.05,2387.17 2870.3,2385.92 2883.55,2385.92 2921,2423.37 2921,2834 2875,2880 2730,2880 2704.68,2905.32 U4.5
USB_P: CON1.3 U4.4 | length 999.1
  Top Layer w6: U4.4 2685,2902.37 2723.37,2864 2792.26,2864 2792.51,2863.75 2796.91,2863.75 2797.16,2864 2868.37,2864 2905,2827.37 2905,2430 2876.92,2401.92 2875.67,2403.17 2775.55,2403.17 2753.69,2381.31 2698.69,2381.31 2695,2385 2695,2408.18 2698.74,2411.92 CON1.3
VCC: C1.2 C3.2 C4.2 C5.2 C6.2 C7.2 C12.2 H1.1 J5.2 J6.2 J7.2 J8.2 R3.2 R4.2 R5.2 R6.2 U1.1 U1.13 U1.24 U1.36 U2.4 U3.9 U5.5 | length 6426.5
  Top Layer w15: v1(1670,3610) R3.2 1575,3610 1525,3660 1525,3767.25 1575.25,3817.5 1587.5,3817.5 1700,3930 C3.2 1840,3940 U1.13 ; C5.2 U1.1 1980,4660 2005,4635 ; v1(1830,3445) 1895,3445 1925,3475 R4.2 2000,3600 J5.2 ; U3.9 2260,3255 2220,3295 2220,3591.67 2223.33,3595 ; H1.1 C7.2 C6.2 U1.36 2030,4660 2005,4635 ; J8.2 J7.2 J6.2 2223.33,3595 ; 2005,4635 2050,4590 2050,4535 2390,4195 U1.24 2390,3945 C4.2 2400,3925 2320,3845 2150,3845 2125,3820 2125,3725 J5.2 ; J5.2 2135,3595 R6.2 2223.33,3595
  Bottom Layer w15: v1(1670,3610) 1670,3540 1760,3450 1825,3450 v1(1830,3445) ; H1.1 2705,4645 C1.2 ; U5.5 2725,2730.55 C12.2 2800,2790 R5.2 2861.86,2785 2948.25,2871.39 2948.25,3665 3005,3665 U2.4 ; J8.2 2940,3665
pads on no net: CON1. CON1.4 J3.3 U2.1 U2.N U4.1 U4.2 U4.9 U4.10 U4.11 U4.12 U4.13 U4.14 U4.15 U4.16 U4.17 U4.18 U4.19 U4.20 U4.21 U4.22 U4.23 U4.24 U4.27 U4.28

## Polygon pours and split planes (outlines as drawn)
GND_USB on Bottom Layer "Top Layer-No Net" (solid, remove dead copper, pour order 10): 1010,4870 1505,4870 1605,4970 2905,4970 3005,4870 3105,4865 3100,2275 1015,2275 1015,2555 1010,2875 1010,3005
GND_USB on Top Layer "Top Layer-No Net" (solid, remove dead copper, pour order 14): 1015,4875 1505,4870 1605,4970 2905,4970 3005,4870 3095.94,4845.94 3110,4570 3100,4140 3105,3270 3100,2275 3105,2280 3105,2270 1015,2275

## Keep-outs
Keep-Out Layer:
  the board outline again, w10

## Text inside footprints (layer, text, board x,y; h text height)
C11: Top Overlay "+" at 2615,2672 h30; Top Overlay "-" at 2723,2674 h30
H1: Top Overlay "SWDIO" at 2790,4350 h31.5; Top Overlay "SWCLK" at 2790,4450 h31.5; Top Overlay "GND" at 2790,4550 h31.5; Top Overlay "VCC" at 2790,4650 h31.5; Top Overlay "1" at 2590,4700 h31.5
I2C: Top Overlay "1" at 1210,2570 h31.5 r180
J3: Top Overlay "1" at 2510,3210 h31.5 r90
J4: Top Overlay "1" at 1505,4300 h31.5
J5: Top Overlay "1" at 1965,3805 h31.5
J6: Top Overlay "1" at 2193.33,3805 h31.5
J7: Top Overlay "1" at 2421.67,3805 h31.5
J8: Top Overlay "1" at 2650,3805 h31.5
U3: Top Overlay "1" at 2225,2455 h31.5 r180
UART: Top Overlay "1" at 1215,2310 h31.5 r180